# Altium PCB STM8S003F3P6.PcbDoc
Units mm, origin at the board's own origin, x right, y up, seen from the top; angles counter-clockwise.
Board outline 28.07 x 22.1 mm, 2 copper layers (Top Layer, Bottom Layer); 24 components, 23 nets, 83 pads, 17 vias.
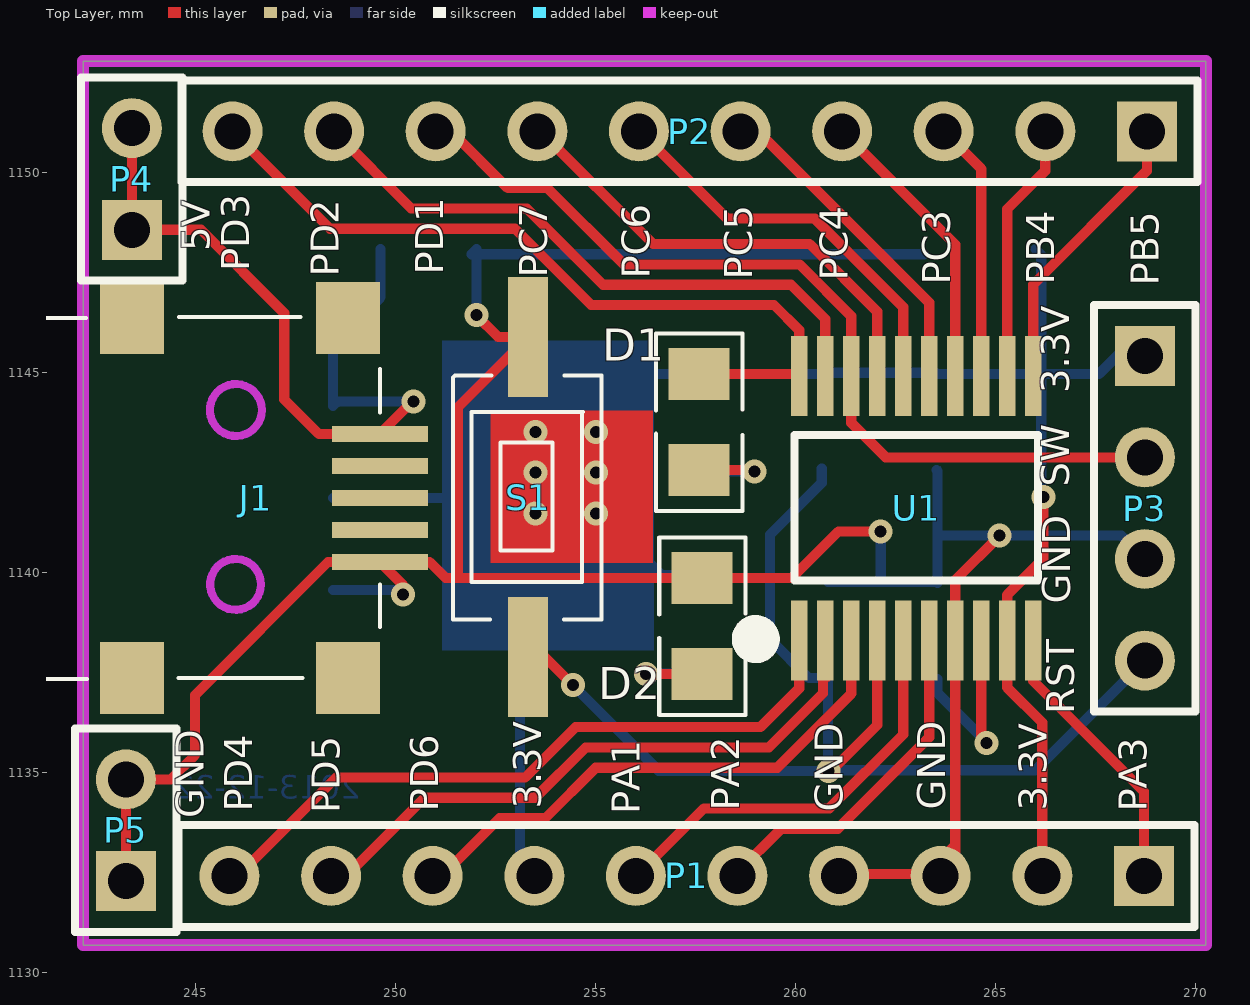
[diagram p0: Top Layer view]
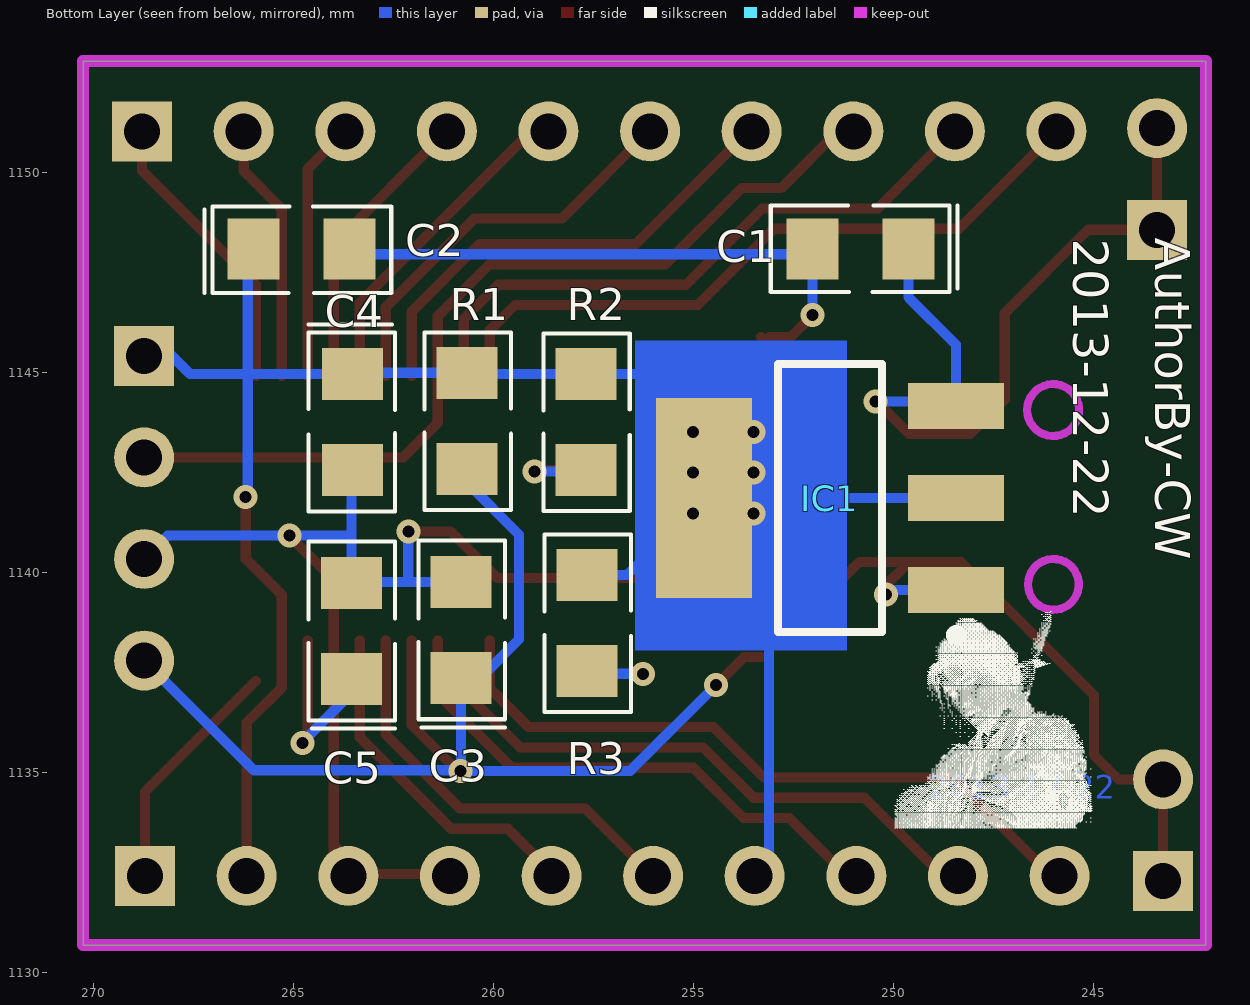
[diagram p1: Bottom Layer view, seen from below]

## Layer stack, top to bottom
Top Layer: signal copper 0.0356
Dielectric: dielectric 0.32, FR-4, Dk 4.8
Bottom Layer: signal copper 0.0356

## Board outline
242.189,1152.779 242.189,1130.681 270.256,1130.681 270.256,1152.779 242.189,1152.779

## Design rules (kind name [scope] priority, off if disabled: settings)
Clearance [All] p1: gap=0.254
FabricationTestpoint [(IsPad And (OnTopLayer Or OnBottomLayer))] p1: side=3 testpointundercomponent=TRUE minsize=1.016 maxsize=2.54 preferedsize=1.524 minholesize=0 maxholesize=1.016 preferedholesize=0.813 testpointgrid=0.025 allowsidetop=TRUE allowsidebottom=TRUE usegrid=TRUE gridtolerance=0
PolygonConnect [All] p1: connectstyle=Relief reliefconductorwidth=0.254 reliefentries=4 polygonreliefangle="90 Angle" airgapwidth=0.254
RoutingVias [All] p1: holewidth=0.3 width=0.6 viastyle="Through Hole" minholewidth=0.3 minwidth=0.6 maxholewidth=0.3 maxwidth=0.6
SolderMaskExpansion [All] p1: expansion=0.102
Width [All] p1: maxlimit=0.762 minlimit=0.254 preferedwidth=0.254
27 further rules are at their usual default settings.

## Classes and differential pairs
component class STM8S003F3P6: C1 C2 C3 C4 C5 D1 D2 IC1 J1 P1 P2 P3 P4 P5 R1 R2 R3 S1 U1

## Components (designator, comment, footprint, x,y, rotation, side; value= is the part's Value field where it differs from the comment)
C1 "Capacitor" C0805 250.825,1148.08 r0 bottom
C2 "Capacitor" C0805 264.795,1148.08 r180 bottom
C3 "Capacitor" C0805 260.807,1138.555 r90 bottom
C4 "Capacitor" C0805 263.525,1143.762 r270 bottom
C5 "Capacitor" C0805 263.55,1138.53 r90 bottom
D1 "LED" 0805D 257.581,1143.762 r90 top
D2 "LED" 0805D 257.658,1138.657 r90 top
Designator55 "Comment" 蓝电studio 247.218,-3904.741 r90 bottom
Designator56 "Comment" 蓝电studio 263.093,-3899.229 r90 bottom
Designator57 "Comment" 蓝电studio 274.472,-3896.689 r90 bottom
Designator58 "Comment" 蓝电studio 247.726,-3904.461 r90 bottom
Designator59 "Comment" 蓝电studio 275.133,-3890.72 r90 bottom
IC1 "ASM1117" SOT-223 251.587,1141.857 r90 bottom
J1 "Mini_USB" Mini_USB 246.507,1141.857 r0 top locked
P1 "Header 10" HDR1X10 257.277,1132.408 r180 top
P2 "Header 10" HDR1X10 257.353,1151.026 r180 top
P3 "Header 4" HDR1X4 268.732,1141.603 r270 top
P4 "Header 2" HDR1X2 243.408,1149.833 r90 top
P5 "Header 2" HDR1X2 243.256,1133.551 r90 top
R1 "Resistor" R0805 260.655,1143.787 r90 bottom
R2 "Resistor" R0805 257.683,1143.762 r90 bottom
R3 "Resistor" R0805 257.658,1138.733 r90 bottom
S1 "Switch" TD-19XA 253.314,1141.882 r90 top
U1 "STM8S003F3P6" STM8S003F3P6 263.017,1141.603 r90 top

## Footprints (in the part's own frame and the unit in brackets; to place one, negate y for a bottom-side part, rotate by r counter-clockwise, add the part's x,y. Pads: shape width x height; smd on the part's side, far side on the other; paste and mask are expansions set on the pad)
0805D [mm]
  rect 1.3x1.524 smd: 1(-1.2,0) 2(1.2,0)
  silkscreen extent -2.23,-1.09 2.21,1.07, body extent -1.6,-0.8 1.6,0.8, height 1.07
C0805 [mm]
  rect 1.3x1.524 smd: 1(-1.2,0) 2(1.2,0)
  silkscreen extent -2.43,-1.09 2.24,1.07, body extent -0.87,-0.64 1.13,0.61, height 0.77
HDR1X2 [mm] "Connector; Header; 2 Position"
  rect 1.5x1.5 hole 0.9: 1(-1.27,0)
  round 1.5 hole 0.9: 2(1.27,0)
  silkscreen extent -2.54,-1.27 2.54,1.27, body extent -2.54,-1.27 2.54,1.27, height 7.58
HDR1X4 [mm] "Connector; Header; 4 Position"
  rect 1.5x1.5 hole 0.9: 1(-3.81,0)
  round 1.5 hole 0.9: 2(-1.27,0) 3(1.27,0) 4(3.81,0)
  silkscreen extent -5.08,-1.27 5.08,1.27, body extent -5.08,-1.27 5.08,1.27, height 7.58
HDR1X10 [mm] "Connector; Header; 10 Position"
  rect 1.5x1.5 hole 0.9: 1(-11.43,0)
  round 1.5 hole 0.9: 2(-8.89,0) 3(-6.35,0) 4(-3.81,0) 5(-1.27,0) 6(1.27,0) 7(3.81,0) 8(6.35,0) 9(8.89,0) 10(11.43,0)
  silkscreen extent -12.7,-1.27 12.7,1.27, body extent -12.7,-1.27 12.7,1.27, height 7.58
Mini_USB [mm]
  rect 2.4x0.4 smd: 1(3.1,1.6) 2(3.1,0.8) 3(3.1,0) 4(3.1,-0.8) 5(3.1,-1.6)
  rect 1.6x1.8 smd: 6(2.3,-4.5) 7(2.3,4.5) 8(-3.1,4.5) 9(-3.1,-4.5)
  silkscreen extent -6.51,-4.52 3.1,4.52, body extent -5.92,-5.32 3.28,5.38, height 3.95
R0805 [mm]
  rect 1.3x1.524 smd: 1(-1.2,0) 2(1.2,0)
  silkscreen extent -2.23,-1.09 2.21,1.07, body extent -0.93,-0.63 1.07,0.62, height 0.77
SOT-223 [mm]
  rect 1.15x2.4 smd: 1(-2.3,-3.15) 2(0,-3.15) 3(2.3,-3.15)
  rect 5x2.4 smd: 2(0,3.15)
  silkscreen extent -3.55,-3.27 3.35,1.3, body extent -3.25,-3.45 3.25,3.51, height 1.65
STM8S003F3P6 [mm] "STM8S003F3P6"
  rect 2x0.42 smd: 1(-3.31,2.925) 2(-3.31,2.275) 3(-3.31,1.625) 4(-3.31,0.975) 5(-3.31,0.325) 6(-3.31,-0.325) 7(-3.31,-0.975) 8(-3.31,-1.625) 9(-3.31,-2.275) 10(-3.31,-2.925) 11(3.31,-2.925) 12(3.31,-2.275) 13(3.31,-1.625) 14(3.31,-0.975) 15(3.31,-0.325) 16(3.31,0.325) 17(3.31,0.975) 18(3.31,1.625) 19(3.31,2.275) 20(3.31,2.925)
  silkscreen extent -3.57,-3.04 1.83,4.31, body extent -3.1,-3.3 3.18,3.2, height 1.1
TD-19XA [mm]
  rect 3x1 smd: 1(-4,0) 2(4,0)
  silkscreen extent -3.06,-1.83 3.04,1.88, body extent -3.92,-1.85 3.97,2, height 2.5
蓝电studio [mm]

## Part data
P1 P2: "Header, 10-Pin"
P3: "Header, 4-Pin"
P4 P5: "Header, 2-Pin"

## Via types
v1: diameter 0.6, hole 0.3, Top Layer to Bottom Layer, 17 vias

## Nets (pads, with @x,y where several pads share a name; then routed paths per layer and width w, separated by ;. In a path a pad name is that pad's centre, name@x,y a point inside that pad or via, vN(x,y) a via of type N, cw(c..) or ccw(c..) an arc to the next point about the centre after c; other vN are vias at no path point)
5V: C1.1 IC1.3 J1.1 P4.1 P4.2 | length 19.8
  Top Layer w0.254: P4.2 P4.1 245.135,1148.563 247.218,1146.48 247.218,1144.321 248.082,1143.457 J1.1 250.42,1144.27 v1(250.444,1144.27)
  Bottom Layer w0.254: C1.1 249.625,1146.88 248.437,1145.692 IC1.3 248.55,1144.27 v1(250.444,1144.27)
GND: C1.2 C2.2 C3.2 C4.2 C5.2 D2.2 IC1.1 J1.5 P1.3 P1.4 P3.3 P5.1 P5.2 S1.2 U1.7 | length 74.2
  Top Layer w0.254: P5.1 P5.2 244.373,1134.821 244.983,1135.431 244.983,1136.929 248.311,1140.257 J1.5 ; v1(250.19,1139.444) 250.19,1139.674 J1.5 ; v1(252.019,1146.429) 252.565,1145.882 S1.2@253.099,1145.882 ; S1.2 251.562,1144.13 251.562,1139.857 ; P1.4@260.731,1132.459 263.271,1132.459 263.992,1133.18 ; v1(262.128,1141.019) 261.069,1141.019 259.907,1139.857 D2.2 251.562,1139.857 ; P1.3 263.992,1132.774 263.992,1133.18 ; v1(265.1,1140.917) 263.992,1139.809 U1.7 263.992,1133.18 ; J1.5 250.85,1140.257 251.251,1139.857 251.562,1139.857
  Bottom Layer w0.254: IC1.1 250.077,1139.557 v1(250.19,1139.444) ; v1(252.019,1146.429) 252.025,1146.435 C1.2@252.025,1147.953 ; C3.2 262.128,1139.755 ; v1(262.128,1141.019) 262.128,1139.755 ; C2.2@263.214,1147.953 C1.2@252.025,1147.953 ; C4.2 263.55,1142.537 263.55,1140.917 ; P3.3 268.148,1140.917 v1(265.1,1140.917) 263.55,1140.917 ; C1.2@252.025,1147.953 251.898,1147.953 C1.2 C1.2@252.025,1147.953 ; 262.128,1139.755 263.525,1139.755 C5.2 263.55,1140.917
NetD1_1: D1.1 R2.1 | length 2.7
  Top Layer w0.254: D1.1 258.934,1142.562 v1(258.978,1142.517)
  Bottom Layer w0.254: R2.1 257.728,1142.517 v1(258.978,1142.517)
NetD2_1: D2.1 R3.1 | length 2.8
  Top Layer w0.254: v1(256.261,1137.463) 256.267,1137.457 D2.1
  Bottom Layer w0.254: v1(256.261,1137.463) 257.588,1137.463 R3.1
NRST: C3.1 P3.4 R1.1 S1.1 U1.4 | length 30.4
  Top Layer w0.254: S1.1 253.733,1137.882 v1(254.432,1137.183) ; v1(260.82,1135.037) 260.896,1135.037 262.042,1136.183 U1.4
  Bottom Layer w0.254: v1(254.432,1137.183) 256.578,1135.037 v1(260.82,1135.037) ; R1.1 260.655,1142.238 259.359,1140.943 259.359,1138.326 260.331,1137.355 C3.1 v1@260.807,1135.126 ; v1@260.82,1135.05 265.989,1135.05 P3.4
PA1: P1.6 U1.5 | length 10.7
  Top Layer w0.254: P1.6@255.651,1132.459 P1.6@255.803,1132.611 ; P1.6 256.019,1132.408 257.708,1134.098 260.844,1134.098 262.692,1135.946 U1.5
PA2: P1.5 U1.6 | length 8.9
  Top Layer w0.254: P1.5@258.191,1132.459 258.191,1132.574 P1.5@258.286,1132.669 ; P1.5@258.547,1132.498 259.639,1133.59 261.054,1133.59 263.342,1135.878 U1.6
PA3: P1.1 U1.10 | length 6
  Top Layer w0.254: 265.942,1137.285 268.707,1134.52 P1.1
PB4: P2.2 U1.12 | length 6.5
  Top Layer w0.254: U1.12 265.292,1149.085 266.243,1150.036 P2.2
PB5: P2.1 U1.11 | length 7.3
  Top Layer w0.254: U1.11 265.942,1147.195 268.783,1150.036 P2.1
PC3: P2.3 U1.13 | length 6.5
  Top Layer w0.254: P2.3 264.642,1150.087 U1.13
PC4: P2.4 U1.14 | length 7.3
  Top Layer w0.254: P2.4 263.992,1148.197 U1.14
PC5: P2.5 U1.15 | length 8.3
  Top Layer w0.254: P2.5 259.055,1151.026 263.342,1146.739 U1.15
PC6: P2.6 U1.16 | length 10.1
  Top Layer w0.254: P2.6 256.108,1151.026 258.293,1148.842 260.477,1148.842 262.692,1146.627 U1.16
PC7: P2.7 U1.17 | length 12.2
  Top Layer w0.254: P2.7@253.238,1151.001 P2.7@253.378,1150.861 ; P2.7 253.619,1151.026 256.438,1148.207 260.35,1148.207 262.042,1146.515 U1.17
PD1: P2.8 P3.2 U1.18 | length 22.9
  Top Layer w0.254: P2.8@250.698,1151.001 P2.8@250.838,1150.861 ; P2.8 251.384,1151.026 252.806,1149.604 253.797,1149.604 255.702,1147.699 260.096,1147.699 261.392,1146.403 U1.18 261.392,1143.736 262.255,1142.873 P3.2
PD2: P2.9 U1.19 | length 15.8
  Top Layer w0.254: P2.9@248.158,1151.001 P2.9@248.298,1150.861 ; P2.9 250.393,1149.096 253.282,1149.096 255.187,1147.191 259.886,1147.191 260.742,1146.335 U1.19
PD3: D1.2 P2.10 U1.20 | length 20.1
  Top Layer w0.254: P2.10@245.618,1151.001 P2.10@245.758,1150.861 ; P2.10 248.361,1148.588 252.984,1148.588 254.889,1146.683 259.461,1146.683 260.092,1146.052 U1.20 260.043,1144.962 D1.2 ; D1.2@257.556,1144.708 D1.2@257.581,1144.708
PD4: P1.10 U1.1 | length 17.6
  Top Layer w0.254: P1.10@245.491,1132.459 P1.10@245.643,1132.611 ; P1.10 246.05,1132.408 248.514,1134.872 253.238,1134.872 254.496,1136.13 259.119,1136.13 260.092,1137.103 U1.1
PD5: P1.9 U1.2 | length 14.7
  Top Layer w0.254: P1.9 248.768,1132.408 250.723,1134.364 253.492,1134.364 254.75,1135.622 259.329,1135.622 260.683,1136.976 260.683,1137.294 U1.2@260.801,1137.412
PD6: P1.8 U1.3 | length 13.9
  Top Layer w0.254: P1.8@250.571,1132.459 P1.8@250.723,1132.611 ; P1.8 251.155,1132.408 252.603,1133.856 253.746,1133.856 255.004,1135.114 259.54,1135.114 261.392,1136.966 U1.3
VCAP: C5.1 U1.8 | length 4.7
  Top Layer w0.254: U1.8 264.642,1135.863 v1(264.77,1135.736)
  Bottom Layer w0.254: C5.1 263.55,1136.98 264.77,1135.761 v1(264.77,1135.736)
VCC3.3: C2.1 C4.1 IC1.2 P1.2 P1.7 P3.1 R1.2 R2.2 R3.2 U1.9 | length 49.5
  Top Layer w0.254: P1.2 266.167,1136.244 265.292,1137.118 U1.9 265.292,1139.435 266.192,1140.335 v1(266.192,1141.882)
  Bottom Layer w0.254: IC1.2@248.437,1141.857 IC1.2@254.737,1141.857 ; P1.7@253.111,1132.459 253.111,1138.428 253.39,1138.707 ; R3.2 256.661,1139.933 IC1.2@254.737,1141.857 ; C2.1 266.141,1147.934 266.141,1144.962 ; v1(266.192,1141.882) 266.141,1141.933 266.141,1144.962 ; P3.1 268.04,1145.413 267.589,1144.962 266.141,1144.962 ; IC1.2@254.737,1141.857 254.737,1143.737 255.962,1144.962 R2.2 260.629,1144.962 R1.2 263.5,1144.987 C4.1 266.141,1144.962
  other v1: 253.492,1141.476 255.016,1141.476 253.492,1142.492 255.016,1142.492 253.492,1143.508 255.016,1143.508
pads on no net: J1.2 J1.3 J1.4 J1.6 J1.7 J1.8 J1.9

## Keep-outs
Keep-Out Layer:
  circle w0.203: c245.999,1139.698 r0.635
  circle w0.203: c246.007,1144.057 r0.649
  lines w0.3: 242.189,1130.681 270.256,1130.681 270.256,1152.779 242.189,1152.779 242.189,1130.681

## Other copper
Top Layer:
  rectangle: 252.374,1140.231 256.438,1144.041
Bottom Layer:
  rectangle net VCC3.3: 251.155,1138.047 256.464,1145.794
  text "2013-12-22" at 249.123,1134.135 h1

## Silkscreen, mask and mechanical layers (free items; w line width, h text height)
Top Overlay:
  text "5V" at 245.593,1148.029 h1.2 r90
  text "PD3" at 246.583,1147.521 h1.2 r90
  text "PD1" at 251.435,1147.445 h1.2 r90
  text "PD2" at 248.818,1147.394 h1.2 r90
  text "PC7" at 254.025,1147.369 h1.2 r90
  text "PC6" at 256.591,1147.343 h1.2 r90
  text "PC5" at 259.156,1147.318 h1.2 r90
  text "PC4" at 261.544,1147.293 h1.2 r90
  text "PC3" at 264.109,1147.191 h1.2 r90
  text "PB4" at 266.7,1147.191 h1.2 r90
  text "PB5" at 269.316,1147.166 h1.2 r90
  text "3.3V" at 267.081,1144.473 h1.2 r90
  text "SW" at 267.081,1142.136 h1.2 r90
  text "GND" at 267.106,1139.215 h1.2 r90
  text "RST" at 267.208,1136.447 h1.2 r90
  text "3.3V" at 253.873,1134.085 h1.2 r90
  text "GND" at 263.982,1134.059 h1.2 r90
  text "PA2" at 258.826,1134.034 h1.2 r90
  text "3.3V" at 266.522,1134.034 h1.2 r90
  text "PD4" at 246.659,1134.008 h1.2 r90
  text "PD6" at 251.308,1134.008 h1.2 r90
  text "GND" at 261.417,1134.008 h1.2 r90
  text "PA3" at 269.011,1134.008 h1.2 r90
  text "PD5" at 248.844,1133.983 h1.2 r90
  text "PA1" at 256.337,1133.958 h1.2 r90
  text "GND" at 245.44,1133.856 h1.2 r90
Bottom Overlay:
  drawing of 6950 lines, arcs and shapes, not listed
  text "AuthorBy-CW" at 243.738,1148.359 h1.5 r90
  text "2013-12-22" at 245.796,1148.334 h1.5 r90
Bottom Solder:
  text "2013-12-22" at 249.123,1134.135 h1

## Text inside footprints (layer, text, board x,y; h text height)
Designator55: Top Overlay "Studio" at 2778.431,-1381.607 h3.81 r270; Top Overlay "蓝电工作室" at 2776.526,-1381.505 h2.54 r270
Designator56: Top Overlay "Studio" at 2794.306,-1376.095 h3.81 r270; Top Overlay "蓝电工作室" at 2792.401,-1375.993 h2.54 r270
Designator57: Top Overlay "Studio" at 2805.685,-1373.555 h3.81 r270; Top Overlay "蓝电工作室" at 2803.78,-1373.453 h2.54 r270
Designator58: Top Overlay "Studio" at 2778.939,-1381.327 h3.81 r270; Top Overlay "蓝电工作室" at 2777.034,-1381.225 h2.54 r270
Designator59: Top Overlay "Studio" at 2806.345,-1367.586 h3.81 r270; Top Overlay "蓝电工作室" at 2804.44,-1367.484 h2.54 r270